# Altium PCB NC1-1A-BASIS.PcbDoc (part 1 of 3) (continued)
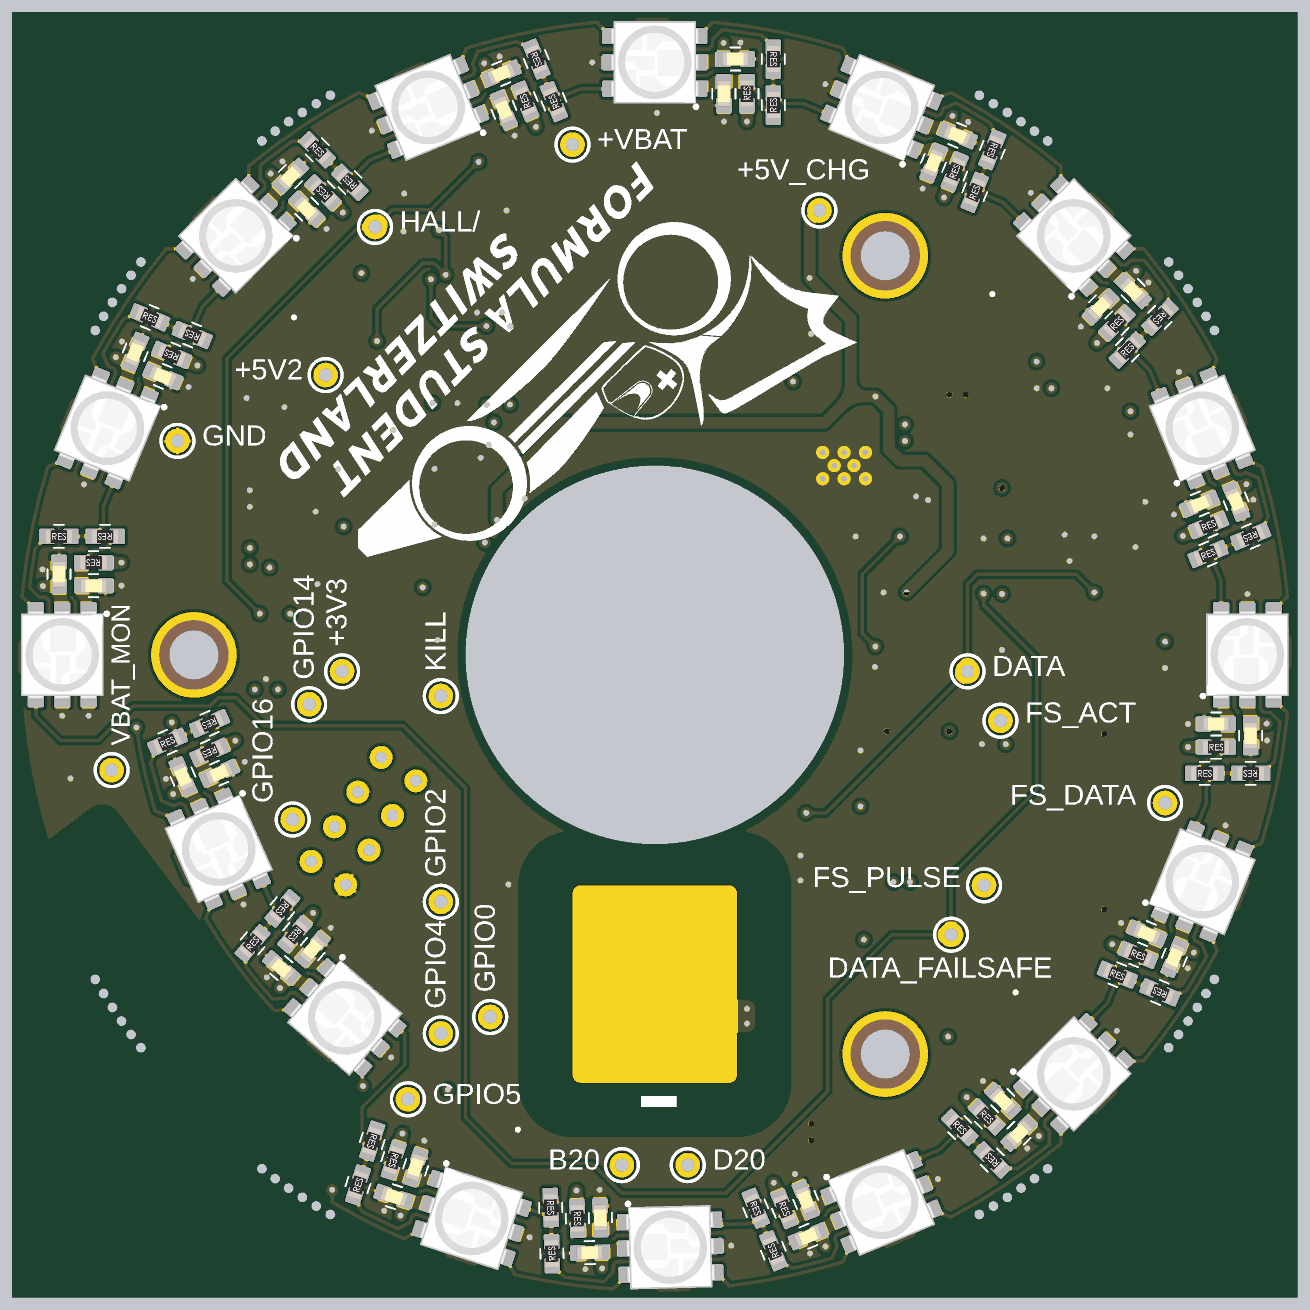
[diagram p7: 3D render of the assembled board from below, using the file's embedded part models]

## Layer stack, top to bottom
Top Solder: solder mask 0.0102, Solder Resist, Dk 3.5
Top Layer: signal copper 0.035
Dielectric 2: prepreg 0.2104, PP-006, Dk 4.1
Mid 1 (GND): signal copper 0.0152
Dielectric 1: dielectric 1.065, FR-4, Dk 4.8
Mid 2 (PWR): signal copper 0.0152
Dielectric 3: prepreg 0.2104, PP-006, Dk 4.1
Bottom Layer: signal copper 0.035
Bottom Solder: solder mask 0.0102, Solder Resist, Dk 3.5

## Board outline
0,-39 cw(c0,0) -39,0 cw(c0,0) 0,39 cw(c0,0) 39,0 cw(c0,0)

## Design rules (kind name [scope] priority, off if disabled: settings)
BoardOutlineClearance [not (InComponent('MOUSE*'))] p1 off: gap=0.3 ignorepadtopadclearanceinfootprint=FALSE except(0: Arc-SplitContinuation Track-SplitContinuation SMDPad-SplitContinuation THPad-SplitContinuation Via-SplitContinuation Fill-SplitContinuation Poly-SplitContinuation Region-SplitContinuation Text-SplitContinuation)
Clearance Clearance_-VBAT [InNet('-VBAT')] p1: gap=1 ignorepadtopadclearanceinfootprint=FALSE except(0: Arc-Hole Track-Hole SMDPad-Hole THPad-Hole Via-Hole Fill-Hole Poly-Hole Region-Hole Text-Hole)
Clearance [All] p2: gap=0.2 ignorepadtopadclearanceinfootprint=FALSE except(0: Arc-Hole Track-Hole SMDPad-Hole THPad-Hole Via-Hole Fill-Hole Poly-Hole Region-Hole Text-Hole; 0.15: Arc-Arc Arc-Track Arc-SMDPad Arc-THPad Arc-Via Arc-Text Track-Track Track-SMDPad Track-THPad Track-Via Track-Text SMDPad-SMDPad SMDPad-THPad SMDPad-Via SMDPad-Text THPad-THPad THPad-Via THPad-Text Via-Via Via-Text Text-Text)
ComponentClearance ComponentClearance_ESP-01S [All] p1: gap=0.254 collisioncheckmode=3 verticalgap=0.254 showdistances=FALSE
ComponentClearance ComponentClearance_Enclosure [isfree] p2: gap=0 collisioncheckmode=3 verticalgap=0 showdistances=FALSE
ComponentClearance [All] p3: gap=0.25 collisioncheckmode=3 verticalgap=0.25 showdistances=FALSE
Height [All] p1: minheight=0 maxheight=100 prefheight=12.7
HoleSize [All] p1: absolutevalues=TRUE maxlimit=27 minlimit=0.3 maxpercent=80.000 minpercent=20.000
HoleToHoleClearance [All] p1: gap=0.3 allowstackedmicrovias=TRUE
MinimumSolderMaskSliver [All] p1: minsoldermaskwidth=0.1
PolygonConnect [All] p1: thpad.connectstyle=Relief thpad.reliefconductorwidth=0.2 thpad.reliefentries=4 thpad.polygonreliefangle="90 Angle" thpad.airgapwidth=0.2 smdpad.connectstyle=Relief smdpad.reliefconductorwidth=0.2 smdpad.reliefentries=4 smdpad.polygonreliefangle="90 Angle" smdpad.airgapwidth=0.2 via.connectstyle=Direct via.reliefconductorwidth=0.254 via.reliefentries=4 via.polygonreliefangle="90 Angle" via.airgapwidth=0.254
RoomDefinition Power [InComponentClass('Power')] p1: confinementstyle=ConfineIn formatcopy=TRUE lockcomponents=FALSE outline 8,7 10,7 10,-2 13,-2 13,-3 21,-3 21,-2 25,-2 33,-5 31,-5 31,-9 35,-9 35,-5 33,-5 25,-2 25,5 24.5,5 24.5,11 31,11 31,15 26,15 26,16 22,16 22,19 17,19 17,21 16,21 16,24.5 18.5,24.5 18.5,27.5 16,27.5 16,30 13,30 13,31 7,31 4,34 4,39 -2.013,39.013 -2,33 3,33 8,28
RoomDefinition Charger [InComponentClass('Charger')] p2: confinementstyle=ConfineIn formatcopy=TRUE lockcomponents=FALSE outline -8,29 -12,29 -12,22 -20,22 -20,8 -19.5,8 -19.5,4 -21,4 -21,0 -14,0 -14,-2 -12,-2 -12,-10 -13,-10 -13,-13 -18,-13 -18,-21 -10,-21 -10,-27 -14,-27 -14,-31 -6,-31 -6,-27 6,-27 6,-12 12,-12 12,4 32,4 32,11 24,11 24,4 12,4 12,12 6,12 6,29.5 6.5,29.5 6.5,32.5 -3,32.5 -3,27 -8,27
RoomDefinition FailSafe [InComponentClass('FailSafe')] p3: confinementstyle=ConfineIn formatcopy=TRUE lockcomponents=FALSE outline -20,-17 -20,-19 -16,-19 -16,-13 -13,-13 -13,-10 -11,-10 -11,-5 -13,-5 -13,-2 -17,-2 -17,1 -19,1 -19,8 -20,8 -20,17 -30,17 -30,11 -31.5,11 -31.5,7 -32,7 -32,-7 -33,-7 -33,-11 -30,-11 -30,-17
RoomDefinition LED19 [InComponentClass('LED19')] p4: confinementstyle=ConfineIn formatcopy=FALSE lockcomponents=FALSE outline 16.807,-35.546 13.099,-24.133 3.588,-27.224 7.296,-38.636
RoomDefinition LED12 [InComponentClass('LED12')] p5: confinementstyle=ConfineIn formatcopy=TRUE lockcomponents=FALSE outline -5.836,-31.858 7.16,-32.198 6.976,-39.196 -6.019,-38.856
RoomDefinition LED16 [InComponentClass('LED16')] p6: confinementstyle=ConfineIn formatcopy=FALSE lockcomponents=FALSE outline 24.042,31.113 15.556,22.627 22.627,15.556 31.113,24.042
RoomDefinition LED17 [InComponentClass('LED17')] p7: confinementstyle=ConfineIn formatcopy=FALSE lockcomponents=FALSE outline -31.113,24.042 -22.627,15.556 -15.556,22.627 -24.042,31.113
RoomDefinition LED18 [InComponentClass('LED18')] p8: confinementstyle=ConfineIn formatcopy=FALSE lockcomponents=FALSE outline -24.042,-31.113 -15.556,-22.627 -22.627,-15.556 -31.113,-24.042
RoomDefinition LED14 [InComponentClass('LED14')] p9: confinementstyle=ConfineIn formatcopy=TRUE lockcomponents=FALSE outline 12.434,-22.257 22.319,-13.815 26.866,-19.137 16.98,-27.58
RoomDefinition LED0 [InComponentClass('LED0')] p10: confinementstyle=ConfineIn formatcopy=TRUE lockcomponents=FALSE outline 32,-5 32,8 39,8 39,-5
RoomDefinition LED2 [InComponentClass('LED2')] p11: confinementstyle=ConfineIn formatcopy=TRUE lockcomponents=FALSE outline 26.163,19.092 16.971,28.284 21.92,33.234 31.113,24.042
RoomDefinition LED1 [InComponentClass('LED1')] p12: confinementstyle=ConfineIn formatcopy=TRUE lockcomponents=FALSE outline 31.478,7.626 26.503,19.637 32.97,22.316 37.945,10.305
RoomDefinition LED3 [InComponentClass('LED3')] p13: confinementstyle=ConfineIn formatcopy=TRUE lockcomponents=FALSE outline 16.865,27.651 4.855,32.626 7.534,39.093 19.544,34.118
RoomDefinition LED15 [InComponentClass('LED15')] p14: confinementstyle=ConfineIn formatcopy=TRUE lockcomponents=FALSE outline 20.805,-14.736 26.093,-2.86 32.487,-5.707 27.2,-17.583
RoomDefinition LED13 [InComponentClass('LED13')] p15: confinementstyle=ConfineIn formatcopy=TRUE lockcomponents=FALSE outline 5.133,-31.979 17.497,-27.962 19.66,-34.619 7.296,-38.636
RoomDefinition LED10 [InComponentClass('LED10')] p16: confinementstyle=ConfineIn formatcopy=TRUE lockcomponents=FALSE outline -26.163,-19.092 -16.971,-28.284 -21.92,-33.234 -31.113,-24.042
RoomDefinition LED11 [InComponentClass('LED11')] p17: confinementstyle=ConfineIn formatcopy=TRUE lockcomponents=FALSE outline -16.865,-27.651 -4.855,-32.626 -7.534,-39.093 -19.544,-34.118
RoomDefinition LED9 [InComponentClass('LED9')] p18: confinementstyle=ConfineIn formatcopy=TRUE lockcomponents=FALSE outline -31.478,-7.626 -26.503,-19.637 -32.97,-22.316 -37.945,-10.305
RoomDefinition LED7 [InComponentClass('LED7')] p19: confinementstyle=ConfineIn formatcopy=TRUE lockcomponents=FALSE outline -27.651,16.865 -32.626,4.855 -39.093,7.534 -34.118,19.544
RoomDefinition LED8 [InComponentClass('LED8')] p20: confinementstyle=ConfineIn formatcopy=TRUE lockcomponents=FALSE outline -32,5 -32,-8 -39,-8 -39,5
RoomDefinition LED6 [InComponentClass('LED6')] p21: confinementstyle=ConfineIn formatcopy=TRUE lockcomponents=FALSE outline -19.092,26.163 -28.284,16.971 -33.234,21.92 -24.042,31.113
RoomDefinition LED4 [InComponentClass('LED4')] p22: confinementstyle=ConfineIn formatcopy=TRUE lockcomponents=FALSE outline 5,32 -8,32 -8,39 5,39
RoomDefinition LED5 [InComponentClass('LED5')] p23: confinementstyle=ConfineIn formatcopy=TRUE lockcomponents=FALSE outline -7.626,31.478 -19.637,26.503 -22.316,32.97 -10.305,37.945
RoutingVias [All] p1: holewidth=0.35 width=0.7 viastyle="Through Hole" minholewidth=0.35 minwidth=0.7 maxholewidth=5 maxwidth=6
SilkToSilkClearance [All] p1: silktosilkclearance=0.1
SilkToSolderMaskClearance [IsPad] p1: minsilkscreentomaskgap=0.1 clearancetoexposedcopper=TRUE
SolderMaskExpansion [All] p1: expansion=0.05 istentingtop=FALSE
UnRoutedNet [All] p1: checkbadconnections=TRUE
Width [All] p1: maxlimit=5 minlimit=0.15 preferedwidth=0.2 minimp=50.000000 maximp=50.000000 favimp=50.000000
22 further rules are at their usual default settings.

## Classes and differential pairs
channel class LED: LED0 LED1 LED2 LED3 LED4 LED5 LED6 LED7 LED8 LED9 LED10 LED11 LED12 LED13 LED14 LED15 LED16 LED17 LED18 LED19
component class Lights: TP15 TP16
component class LED0: C15 C16 R20 R21 R22 U8
component class Power: C55 C56 C57 C58 C59 C60 C61 C62 C63 C64 C65 C66 C67 C68 C69 C70 C71 D11 D12 D13 D14 D15 D16 L1 L2 Q5 Q6 Q7 Q8 Q9 Q10 R80 R81 R82 R83 R84 R85 R86 R87 R88 R89 R90 R91 R92 R93 R94 R95 R96 R97 R98 R99 TP17 TP18 TP19 TP20 TP21 U28 U29 U30
component class LED19: C53 C54 R77 R78 R79 U27
component class LED18: C51 C52 R74 R75 R76 U26
component class LED17: C49 C50 R71 R72 R73 U25
component class LED16: C47 C48 R68 R69 R70 U24
component class LED15: C45 C46 R65 R66 R67 U23
component class LED14: C43 C44 R62 R63 R64 U22
component class LED13: C41 C42 R59 R60 R61 U21
component class LED12: C39 C40 R56 R57 R58 U20
component class LED11: C37 C38 R53 R54 R55 U19
component class LED10: C35 C36 R50 R51 R52 U18
component class LED9: C33 C34 R47 R48 R49 U17
component class LED8: C31 C32 R44 R45 R46 U16
component class LED7: C29 C30 R41 R42 R43 U15
component class LED6: C27 C28 R38 R39 R40 U14
component class LED5: C25 C26 R35 R36 R37 U13
component class LED4: C23 C24 R32 R33 R34 U12
component class LED3: C21 C22 R29 R30 R31 U11
component class LED2: C19 C20 R26 R27 R28 U10
component class LED1: C17 C18 R23 R24 R25 U9
component class FailSafe: C5 C6 C7 C8 C9 C10 C11 C12 C13 C14 D10 Q3 Q4 R12 R13 R14 R15 R16 R17 R18 R19 TP11 TP12 TP13 TP14 U3 U4 U5 U6 U7
component class Control: M1 M2 R10 R11 TP3 TP4 TP5 TP6 TP7 TP8 TP9 TP10
component class Charger: BAT1 C1 C2 C3 C4 D1 D2 D3 D4 D5 D6 D7 D8 D9 F1 F2 Q1 Q2 R1 R2 R3 R4 R5 R6 R7 R8 R9 TP1 TP2 U1 U2
component class NC1-1-Top: J1 J2 J3

## Components (designator, comment, footprint, x,y, rotation, side; value= is the part's Value field where it differs from the comment)
BAT1 "BAT_21700_NightCone" BAT-21700-NC 0,0 r90 top locked
C1 "22U/0805/25V/X5R" CAP0805_X7R -17.6,8.4 r0 top value=22uF (schematic designator C13)
C2 "22U/0805/25V/X5R" CAP0805_X7R -9.5,17.5 r90 top value=22uF (schematic designator C14)
C3 "22U/0805/25V/X5R" CAP0805_X7R -12.4,5.3 r90 top value=22uF (schematic designator C15)
C4 "100N/0603/50V/X7R" CAP0603_X7R -11,-17.3 r0 top value=100nF (schematic designator C16)
C5 "1U/0603/50V/X5R" CAP0603_X7R -25.8,16.2 r180 top value=1.0uF (schematic designator C1)
C6 "1U/0603/50V/X5R" CAP0603_X7R -21.5,16.2 r180 top value=1.0uF (schematic designator C2)
C7 "1U/0603/50V/X5R" CAP0603_X7R -31,-2.5 r90 top value=1.0uF (schematic designator C3)
C8 "1U/0603/50V/X5R" CAP0603_X7R -21.1,2 r270 top value=1.0uF (schematic designator C4)
C9 "1U/0603/50V/X5R" CAP0603_X7R -20.7,6.1 r0 top value=1.0uF (schematic designator C5)
C10 "1U/0603/50V/X5R" CAP0603_X7R -27.2,13.4 r180 top value=1.0uF (schematic designator C6)
C11 "470P/0603/50V/C0G" CAP0603_C0G -16.7,-11.7 r270 top value=470pF (schematic designator C7)
C12 "1U/0603/50V/X5R" CAP0603_X7R -18.1,-11.7 r270 top value=1.0uF (schematic designator C8)
C13 "1U/0603/50V/X5R" CAP0603_X7R -12.5,-7.5 r90 top value=1.0uF (schematic designator C9)
C14 "1U/0603/50V/X5R" CAP0603_X7R -20.6,-6.4 r0 top value=1.0uF (schematic designator C10)
C15 "1U/0603/50V/X5R" CAP0603_X7R 36.2,4.9 r90 bottom value=1.0uF (schematic designator C11)
C16 "1U/0603/50V/X5R" CAP0603_X7R 34.1,4.2 r180 bottom value=1.0uF (schematic designator C12)
C17 "1U/0603/50V/X5R" CAP0603_X7R 31.569,18.38 r112.5 bottom value=1.0uF (schematic designator C11)
C18 "1U/0603/50V/X5R" CAP0603_X7R 29.897,16.93 r202.5 bottom value=1.0uF (schematic designator C12)
C19 "1U/0603/50V/X5R" CAP0603_X7R 22.132,29.062 r135 bottom value=1.0uF (schematic designator C11)
C20 "1U/0603/50V/X5R" CAP0603_X7R 21.143,27.082 r225 bottom value=1.0uF (schematic designator C12)
C21 "1U/0603/50V/X5R" CAP0603_X7R 9.326,35.32 r157.5 bottom value=1.0uF (schematic designator C11)
C22 "1U/0603/50V/X5R" CAP0603_X7R 9.169,33.112 r247.5 bottom value=1.0uF (schematic designator C12)
C23 "1U/0603/50V/X5R" CAP0603_X7R -4.9,36.2 r180 bottom value=1.0uF (schematic designator C11)
C24 "1U/0603/50V/X5R" CAP0603_X7R -4.2,34.1 r270 bottom value=1.0uF (schematic designator C12)
C25 "1U/0603/50V/X5R" CAP0603_X7R -18.38,31.569 r202.5 bottom value=1.0uF (schematic designator C11)
C26 "1U/0603/50V/X5R" CAP0603_X7R -16.93,29.897 r292.5 bottom value=1.0uF (schematic designator C12)
C27 "1U/0603/50V/X5R" CAP0603_X7R -29.062,22.132 r225 bottom value=1.0uF (schematic designator C11)
C28 "1U/0603/50V/X5R" CAP0603_X7R -27.082,21.142 r315 bottom value=1.0uF (schematic designator C12)
C29 "1U/0603/50V/X5R" CAP0603_X7R -35.32,9.326 r247.5 bottom value=1.0uF (schematic designator C11)
C30 "1U/0603/50V/X5R" CAP0603_X7R -33.112,9.169 r337.5 bottom value=1.0uF (schematic designator C12)
C31 "1U/0603/50V/X5R" CAP0603_X7R -36.2,-4.9 r270 bottom value=1.0uF (schematic designator C11)
C32 "1U/0603/50V/X5R" CAP0603_X7R -34.1,-4.2 r0 bottom value=1.0uF (schematic designator C12)
C33 "1U/0603/50V/X5R" CAP0603_X7R -31.569,-18.38 r292.5 bottom value=1.0uF (schematic designator C11)
C34 "1U/0603/50V/X5R" CAP0603_X7R -29.897,-16.93 r22.5 bottom value=1.0uF (schematic designator C12)
C35 "1U/0603/50V/X5R" CAP0603_X7R -22.132,-29.062 r315 bottom value=1.0uF (schematic designator C11)
C36 "1U/0603/50V/X5R" CAP0603_X7R -21.143,-27.082 r45 bottom value=1.0uF (schematic designator C12)
C37 "1U/0603/50V/X5R" CAP0603_X7R -9.326,-35.32 r337.5 bottom value=1.0uF (schematic designator C11)
C38 "1U/0603/50V/X5R" CAP0603_X7R -9.169,-33.112 r67.5 bottom value=1.0uF (schematic designator C12)
C39 "1U/0603/50V/X5R" CAP0603_X7R 3.951,-36.316 r358.5 bottom value=1.0uF (schematic designator C11)
C40 "1U/0603/50V/X5R" CAP0603_X7R 3.306,-34.198 r88.5 bottom value=1.0uF (schematic designator C12)
C41 "1U/0603/50V/X5R" CAP0603_X7R 15.847,-32.914 r18 bottom value=1.0uF (schematic designator C11)
C42 "1U/0603/50V/X5R" CAP0603_X7R 14.532,-31.133 r108 bottom value=1.0uF (schematic designator C12)
C43 "1U/0603/50V/X5R" CAP0603_X7R 22.69,-19.022 r40.5 bottom value=1.0uF (schematic designator C11)
C44 "1U/0603/50V/X5R" CAP0603_X7R 20.794,-17.879 r130.5 bottom value=1.0uF (schematic designator C12)
C45 "1U/0603/50V/X5R" CAP0603_X7R 28.669,-7.4 r66 bottom value=1.0uF (schematic designator C11)
C46 "1U/0603/50V/X5R" CAP0603_X7R 26.465,-7.186 r156 bottom value=1.0uF (schematic designator C12)
C47 "1U/0603/50V/X5R" CAP0603_X7R 18.738,24.678 r45 top value=1.0uF (schematic designator C11)
C48 "1U/0603/50V/X5R" CAP0603_X7R 24.961,25.809 r45 top value=1.0uF (schematic designator C12)
C49 "1U/0603/50V/X5R" CAP0603_X7R -24.678,18.738 r135 top value=1.0uF (schematic designator C11)
C50 "1U/0603/50V/X5R" CAP0603_X7R -25.809,24.961 r135 top value=1.0uF (schematic designator C12)
C51 "1U/0603/50V/X5R" CAP0603_X7R -18.738,-24.678 r225 top value=1.0uF (schematic designator C11)
C52 "1U/0603/50V/X5R" CAP0603_X7R -24.961,-25.809 r225 top value=1.0uF (schematic designator C12)
C53 "1U/0603/50V/X5R" CAP0603_X7R 13.481,-27.9 r288 top value=1.0uF (schematic designator C11)
C54 "1U/0603/50V/X5R" CAP0603_X7R 11.664,-33.958 r288 top value=1.0uF (schematic designator C12)
C55 "470P/0603/50V/C0G" CAP0603_C0G 10.2,16.9 r90 top value=470pF (schematic designator C17)
C56 "22U/0805/25V/X5R" CAP0805_X7R 9.3,22.8 r270 top value=22uF (schematic designator C18)
C57 "1U/0603/50V/X5R" CAP0603_X7R 10.8,22.5 r90 top value=1.0uF (schematic designator C19)
C58 "470P/0603/50V/C0G" CAP0603_C0G 11.3,6.1 r270 top value=470pF (schematic designator C20)
C59 "1U/0603/50V/X5R" CAP0603_X7R 12.3,19.5 r0 top value=1.0uF (schematic designator C21)
C60 "22U/0805/25V/X5R" CAP0805_X7R 12.6,16.4 r180 top value=22uF (schematic designator C22)
C61 "22U/0805/25V/X5R" CAP0805_X7R 12.6,18 r180 top value=22uF (schematic designator C23)
C62 "22U/0805/25V/X5R" CAP0805_X7R 18.9,5.8 r270 top value=22uF (schematic designator C24)
C63 "1U/0603/50V/X5R" CAP0603_X7R 17.4,6.1 r90 top value=1.0uF (schematic designator C25)
C64 "1U/0603/50V/X5R" CAP0603_X7R 17.4,3.3 r270 top value=1.0uF (schematic designator C26)
C65 "22U/0805/25V/X5R" CAP0805_X7R 18.9,2.4 r90 top value=22uF (schematic designator C27)
C66 "22U/0805/25V/X5R" CAP0805_X7R 20.5,2.4 r90 top value=22uF (schematic designator C28)
C67 "1U/0603/50V/X5R" CAP0603_X7R 15.7,16.6 r180 top value=1.0uF (schematic designator C29)
C68 "1U/0603/50V/X5R" CAP0603_X7R 0.6,33.9 r180 top value=1.0uF (schematic designator C30)
C69 "1U/0603/50V/X5R" CAP0603_X7R 11.3,11 r180 top value=1.0uF (schematic designator C31)
C70 "100N/0603/50V/X7R" CAP0603_X7R 18.5,8.9 r180 top value=100nF (schematic designator C32)
C71 "1U/0603/50V/X5R" CAP0603_X7R 14.1,10.325 r180 top value=1.0uF (schematic designator C33)
D1 "SS34" DIOM5226X230 28.3,6 r0 top (schematic designator D2)
D2 "SS34" DIOM5226X230 -15.2,17.6 r90 top (schematic designator D3)
D3 "SS34" DIOM5226X230 -15,-17.5 r270 top (schematic designator D4)
D4 "P6SMB6.8CA" DIOM5436X265 -17,2 r180 top (schematic designator D5)
D5 "LED Green" LED0805_GREEN -11.1,17.6 r90 top value=Green (schematic designator D6)
D6 "LED Green" LED0805_GREEN -12.7,17.6 r90 top value=Green (schematic designator D7)
D7 "SS34" DIOM5226X230 28.3,9.5 r180 top (schematic designator D8)
D8 "SS34" DIOM5226X230 -18.4,16.2 r270 top (schematic designator D9)
D9 "SS34" DIOM5226X230 -10,-29 r0 top (schematic designator D10)
D10 "1N5819WS" SOD2513X100 -26.6,9.6 r90 top (schematic designator D1)
D11 "1N5819WS" SOD2513X100 11,26.4 r0 top
D12 "1N5819WS" SOD2513X100 15.8,18.1 r180 top
D13 "1N5819WS" SOD2513X100 14.2,26.7 r0 top
D14 "LED Green" LED0805_GREEN 9,10.4 r90 top value=Green
D15 "LED Green" LED0805_GREEN 14.3,0 r270 top value=Green
D16 "1N5819WS" SOD2513X100 16.3,9.2 r270 top
F1 "1.5A/1206/Fuse" Fuse1206-0.55-WW -16.8,11.4 r180 top value=1.5A
F2 "1.5A/1206/Fuse" Fuse1206-0.55-WW -8.5,-20.5 r90 top value=1.5A